# KiCad board 9W_SYSKA.kicad_pcb (continued)
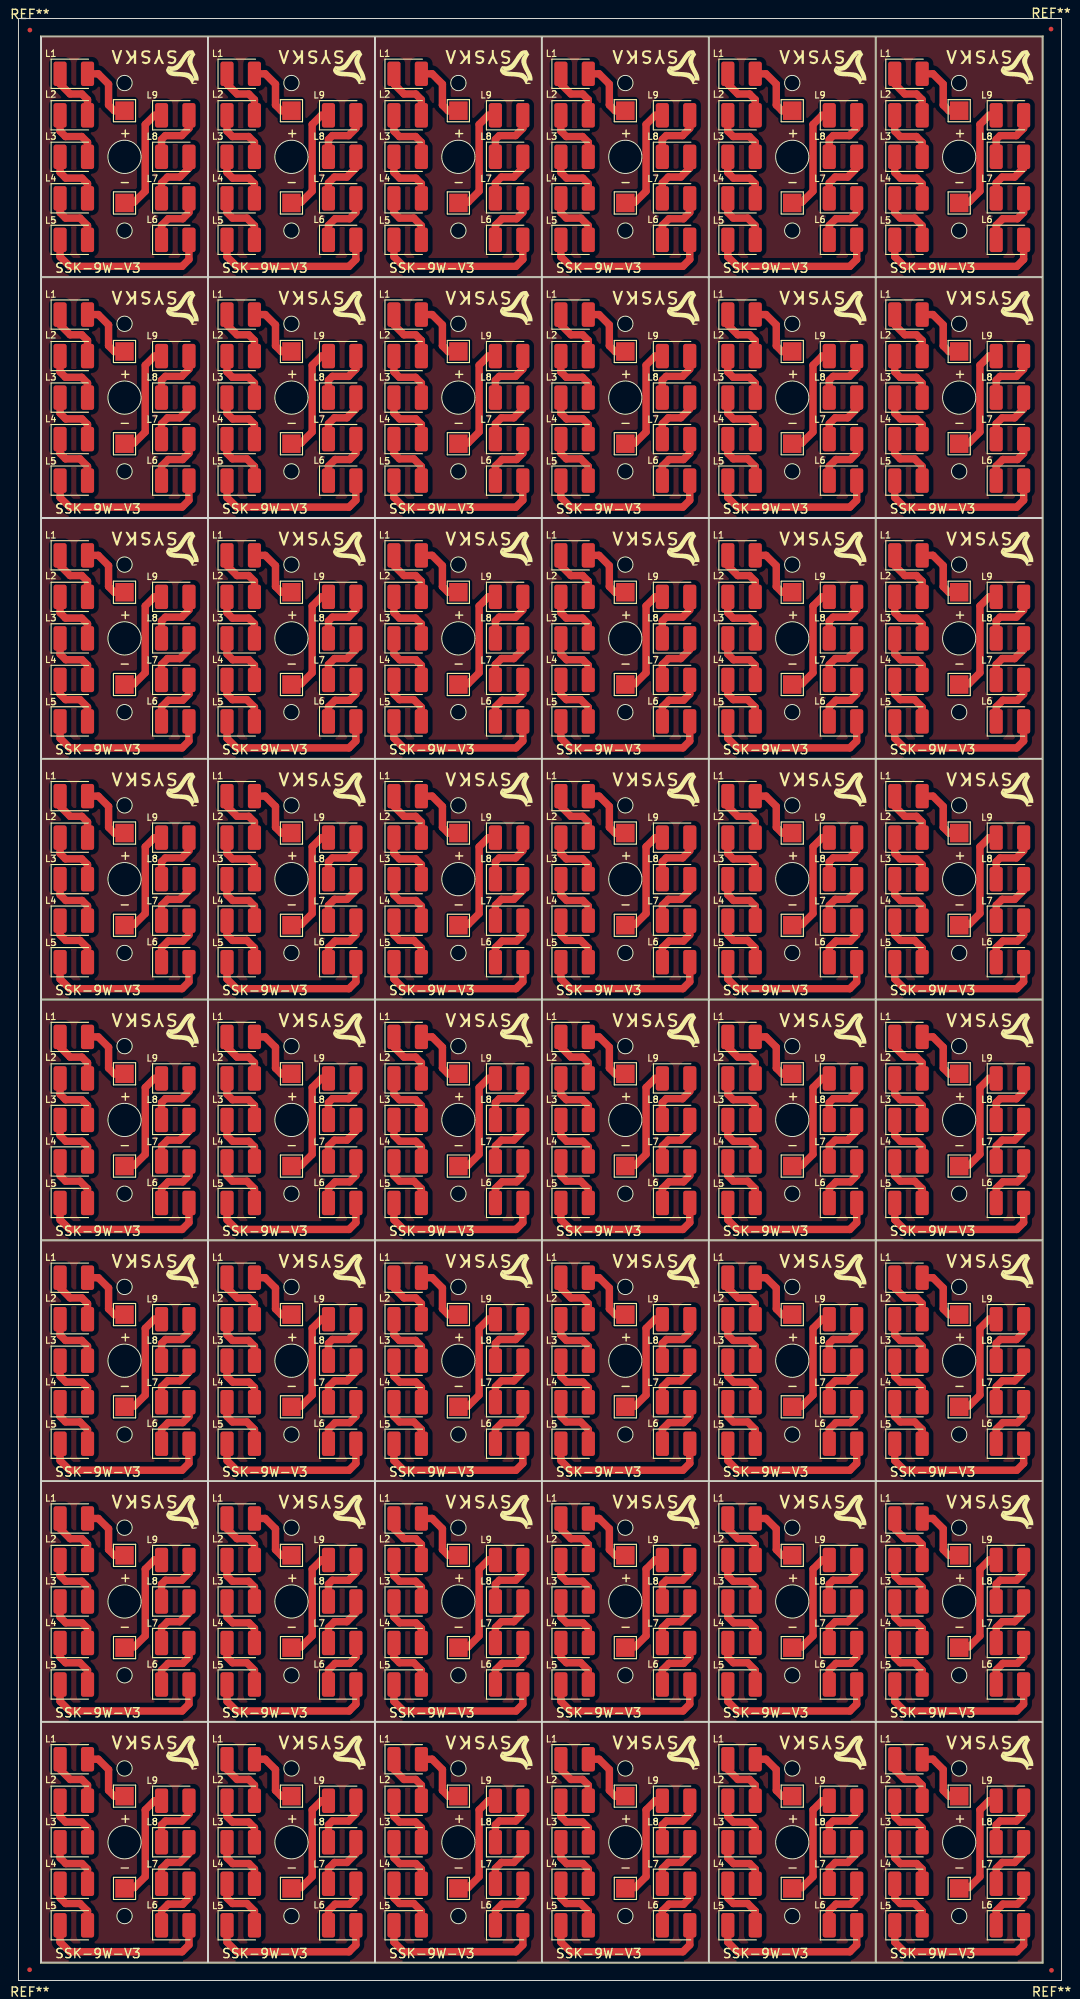
[diagram p0: board, top side]
## Placement (name value [footprint] x y rotation side) (continued)
L4#12  LED  [LED_1210_3225Metric_Pad1.42x2.65mm_HandSolder]  6 10.49 0 top
L4#13  LED  [LED_1210_3225Metric_Pad1.42x2.65mm_HandSolder]  42.2 10.49 0 top
L4#14  LED  [LED_1210_3225Metric_Pad1.42x2.65mm_HandSolder]  78.4 36.59 0 top
L4#15  LED  [LED_1210_3225Metric_Pad1.42x2.65mm_HandSolder]  60.3 193.19 0 top
L4#16  LED  [LED_1210_3225Metric_Pad1.42x2.65mm_HandSolder]  96.5 10.49 0 top
L4#17  LED  [LED_1210_3225Metric_Pad1.42x2.65mm_HandSolder]  6 36.59 0 top
L4#18  LED  [LED_1210_3225Metric_Pad1.42x2.65mm_HandSolder]  42.2 140.99 0 top
L4#19  LED  [LED_1210_3225Metric_Pad1.42x2.65mm_HandSolder]  42.2 167.09 0 top
L4#20  LED  [LED_1210_3225Metric_Pad1.42x2.65mm_HandSolder]  6 88.79 0 top
L4#21  LED  [LED_1210_3225Metric_Pad1.42x2.65mm_HandSolder]  78.4 193.19 0 top
L4#22  LED  [LED_1210_3225Metric_Pad1.42x2.65mm_HandSolder]  60.3 114.89 0 top
L4#23  LED  [LED_1210_3225Metric_Pad1.42x2.65mm_HandSolder]  78.4 10.49 0 top
L4#24  LED  [LED_1210_3225Metric_Pad1.42x2.65mm_HandSolder]  24.1 167.09 0 top
L4#25  LED  [LED_1210_3225Metric_Pad1.42x2.65mm_HandSolder]  78.4 140.99 0 top
L4#26  LED  [LED_1210_3225Metric_Pad1.42x2.65mm_HandSolder]  6 62.69 0 top
L4#27  LED  [LED_1210_3225Metric_Pad1.42x2.65mm_HandSolder]  96.5 167.09 0 top
L4#28  LED  [LED_1210_3225Metric_Pad1.42x2.65mm_HandSolder]  96.5 193.19 0 top
L4#29  LED  [LED_1210_3225Metric_Pad1.42x2.65mm_HandSolder]  6 193.19 0 top
L4#30  LED  [LED_1210_3225Metric_Pad1.42x2.65mm_HandSolder]  60.3 36.59 0 top
L4#31  LED  [LED_1210_3225Metric_Pad1.42x2.65mm_HandSolder]  78.4 88.79 0 top
L4#32  LED  [LED_1210_3225Metric_Pad1.42x2.65mm_HandSolder]  60.3 62.69 0 top
L4#33  LED  [LED_1210_3225Metric_Pad1.42x2.65mm_HandSolder]  24.1 36.59 0 top
L4#34  LED  [LED_1210_3225Metric_Pad1.42x2.65mm_HandSolder]  78.4 167.09 0 top
L4#35  LED  [LED_1210_3225Metric_Pad1.42x2.65mm_HandSolder]  6 140.99 0 top
L4#36  LED  [LED_1210_3225Metric_Pad1.42x2.65mm_HandSolder]  24.1 88.79 0 top
L4#37  LED  [LED_1210_3225Metric_Pad1.42x2.65mm_HandSolder]  42.2 88.79 0 top
L4#38  LED  [LED_1210_3225Metric_Pad1.42x2.65mm_HandSolder]  96.5 114.89 0 top
L4#39  LED  [LED_1210_3225Metric_Pad1.42x2.65mm_HandSolder]  6 114.89 0 top
L4#40  LED  [LED_1210_3225Metric_Pad1.42x2.65mm_HandSolder]  24.1 193.19 0 top
L4#41  LED  [LED_1210_3225Metric_Pad1.42x2.65mm_HandSolder]  96.5 88.79 0 top
L4#42  LED  [LED_1210_3225Metric_Pad1.42x2.65mm_HandSolder]  78.4 62.69 0 top
L4#43  LED  [LED_1210_3225Metric_Pad1.42x2.65mm_HandSolder]  42.2 36.59 0 top
L4#44  LED  [LED_1210_3225Metric_Pad1.42x2.65mm_HandSolder]  42.2 193.19 0 top
L4#45  LED  [LED_1210_3225Metric_Pad1.42x2.65mm_HandSolder]  60.3 10.49 0 top
L4#46  LED  [LED_1210_3225Metric_Pad1.42x2.65mm_HandSolder]  24.1 114.89 0 top
L4#47  LED  [LED_1210_3225Metric_Pad1.42x2.65mm_HandSolder]  60.3 140.99 0 top
L4#48  LED  [LED_1210_3225Metric_Pad1.42x2.65mm_HandSolder]  96.5 62.69 0 top
L5  LED  [LED_1210_3225Metric_Pad1.42x2.65mm_HandSolder]  78.4 188.69 0 top
L5#2  LED  [LED_1210_3225Metric_Pad1.42x2.65mm_HandSolder]  60.3 58.19 0 top
L5#3  LED  [LED_1210_3225Metric_Pad1.42x2.65mm_HandSolder]  96.5 58.19 0 top
L5#4  LED  [LED_1210_3225Metric_Pad1.42x2.65mm_HandSolder]  42.2 32.09 0 top
L5#5  LED  [LED_1210_3225Metric_Pad1.42x2.65mm_HandSolder]  96.5 5.99 0 top
L5#6  LED  [LED_1210_3225Metric_Pad1.42x2.65mm_HandSolder]  42.2 5.99 0 top
L5#7  LED  [LED_1210_3225Metric_Pad1.42x2.65mm_HandSolder]  24.1 188.69 0 top
L5#8  LED  [LED_1210_3225Metric_Pad1.42x2.65mm_HandSolder]  6 136.49 0 top
L5#9  LED  [LED_1210_3225Metric_Pad1.42x2.65mm_HandSolder]  78.4 136.49 0 top
L5#10  LED  [LED_1210_3225Metric_Pad1.42x2.65mm_HandSolder]  24.1 136.49 0 top
L5#11  LED  [LED_1210_3225Metric_Pad1.42x2.65mm_HandSolder]  6 32.09 0 top
L5#12  LED  [LED_1210_3225Metric_Pad1.42x2.65mm_HandSolder]  78.4 32.09 0 top
L5#13  LED  [LED_1210_3225Metric_Pad1.42x2.65mm_HandSolder]  60.3 110.39 0 top
L5#14  LED  [LED_1210_3225Metric_Pad1.42x2.65mm_HandSolder]  78.4 84.29 0 top
L5#15  LED  [LED_1210_3225Metric_Pad1.42x2.65mm_HandSolder]  60.3 5.99 0 top
L5#16  LED  [LED_1210_3225Metric_Pad1.42x2.65mm_HandSolder]  60.3 84.29 0 top
L5#17  LED  [LED_1210_3225Metric_Pad1.42x2.65mm_HandSolder]  60.3 32.09 0 top
L5#18  LED  [LED_1210_3225Metric_Pad1.42x2.65mm_HandSolder]  6 5.99 0 top
L5#19  LED  [LED_1210_3225Metric_Pad1.42x2.65mm_HandSolder]  24.1 32.09 0 top
L5#20  LED  [LED_1210_3225Metric_Pad1.42x2.65mm_HandSolder]  78.4 162.59 0 top
L5#21  LED  [LED_1210_3225Metric_Pad1.42x2.65mm_HandSolder]  6 58.19 0 top
L5#22  LED  [LED_1210_3225Metric_Pad1.42x2.65mm_HandSolder]  96.5 84.29 0 top
L5#23  LED  [LED_1210_3225Metric_Pad1.42x2.65mm_HandSolder]  96.5 110.39 0 top
L5#24  LED  [LED_1210_3225Metric_Pad1.42x2.65mm_HandSolder]  60.3 162.59 0 top
L5#25  LED  [LED_1210_3225Metric_Pad1.42x2.65mm_HandSolder]  24.1 162.59 0 top
L5#26  LED  [LED_1210_3225Metric_Pad1.42x2.65mm_HandSolder]  78.4 110.39 0 top
L5#27  LED  [LED_1210_3225Metric_Pad1.42x2.65mm_HandSolder]  96.5 162.59 0 top
L5#28  LED  [LED_1210_3225Metric_Pad1.42x2.65mm_HandSolder]  42.2 162.59 0 top
L5#29  LED  [LED_1210_3225Metric_Pad1.42x2.65mm_HandSolder]  6 188.69 0 top
L5#30  LED  [LED_1210_3225Metric_Pad1.42x2.65mm_HandSolder]  60.3 188.69 0 top
L5#31  LED  [LED_1210_3225Metric_Pad1.42x2.65mm_HandSolder]  42.2 84.29 0 top
L5#32  LED  [LED_1210_3225Metric_Pad1.42x2.65mm_HandSolder]  24.1 5.99 0 top
L5#33  LED  [LED_1210_3225Metric_Pad1.42x2.65mm_HandSolder]  24.1 58.19 0 top
L5#34  LED  [LED_1210_3225Metric_Pad1.42x2.65mm_HandSolder]  96.5 32.09 0 top
L5#35  LED  [LED_1210_3225Metric_Pad1.42x2.65mm_HandSolder]  42.2 188.69 0 top
L5#36  LED  [LED_1210_3225Metric_Pad1.42x2.65mm_HandSolder]  96.5 136.49 0 top
L5#37  LED  [LED_1210_3225Metric_Pad1.42x2.65mm_HandSolder]  78.4 5.99 0 top
L5#38  LED  [LED_1210_3225Metric_Pad1.42x2.65mm_HandSolder]  42.2 110.39 0 top
L5#39  LED  [LED_1210_3225Metric_Pad1.42x2.65mm_HandSolder]  6 110.39 0 top
L5#40  LED  [LED_1210_3225Metric_Pad1.42x2.65mm_HandSolder]  60.3 136.49 0 top
L5#41  LED  [LED_1210_3225Metric_Pad1.42x2.65mm_HandSolder]  6 162.59 0 top
L5#42  LED  [LED_1210_3225Metric_Pad1.42x2.65mm_HandSolder]  96.5 188.69 0 top
L5#43  LED  [LED_1210_3225Metric_Pad1.42x2.65mm_HandSolder]  42.2 58.19 0 top
L5#44  LED  [LED_1210_3225Metric_Pad1.42x2.65mm_HandSolder]  78.4 58.19 0 top
L5#45  LED  [LED_1210_3225Metric_Pad1.42x2.65mm_HandSolder]  24.1 84.29 0 top
L5#46  LED  [LED_1210_3225Metric_Pad1.42x2.65mm_HandSolder]  42.2 136.49 0 top
L5#47  LED  [LED_1210_3225Metric_Pad1.42x2.65mm_HandSolder]  24.1 110.39 0 top
L5#48  LED  [LED_1210_3225Metric_Pad1.42x2.65mm_HandSolder]  6 84.29 0 top
L6  LED  [LED_1210_3225Metric_Pad1.42x2.65mm_HandSolder]  71.3 58.19 0 top
L6#2  LED  [LED_1210_3225Metric_Pad1.42x2.65mm_HandSolder]  107.5 32.09 0 top
L6#3  LED  [LED_1210_3225Metric_Pad1.42x2.65mm_HandSolder]  35.1 136.49 0 top
L6#4  LED  [LED_1210_3225Metric_Pad1.42x2.65mm_HandSolder]  53.2 32.09 0 top
L6#5  LED  [LED_1210_3225Metric_Pad1.42x2.65mm_HandSolder]  89.4 5.99 0 top
L6#6  LED  [LED_1210_3225Metric_Pad1.42x2.65mm_HandSolder]  17 5.99 0 top
L6#7  LED  [LED_1210_3225Metric_Pad1.42x2.65mm_HandSolder]  35.1 5.99 0 top
L6#8  LED  [LED_1210_3225Metric_Pad1.42x2.65mm_HandSolder]  35.1 32.09 0 top
L6#9  LED  [LED_1210_3225Metric_Pad1.42x2.65mm_HandSolder]  35.1 58.19 0 top
L6#10  LED  [LED_1210_3225Metric_Pad1.42x2.65mm_HandSolder]  53.2 110.39 0 top
L6#11  LED  [LED_1210_3225Metric_Pad1.42x2.65mm_HandSolder]  89.4 162.59 0 top
L6#12  LED  [LED_1210_3225Metric_Pad1.42x2.65mm_HandSolder]  35.1 84.29 0 top
L6#13  LED  [LED_1210_3225Metric_Pad1.42x2.65mm_HandSolder]  17 136.49 0 top
L6#14  LED  [LED_1210_3225Metric_Pad1.42x2.65mm_HandSolder]  53.2 136.49 0 top
L6#15  LED  [LED_1210_3225Metric_Pad1.42x2.65mm_HandSolder]  17 32.09 0 top
L6#16  LED  [LED_1210_3225Metric_Pad1.42x2.65mm_HandSolder]  89.4 84.29 0 top
L6#17  LED  [LED_1210_3225Metric_Pad1.42x2.65mm_HandSolder]  35.1 188.69 0 top
L6#18  LED  [LED_1210_3225Metric_Pad1.42x2.65mm_HandSolder]  89.4 136.49 0 top
L6#19  LED  [LED_1210_3225Metric_Pad1.42x2.65mm_HandSolder]  89.4 110.39 0 top
L6#20  LED  [LED_1210_3225Metric_Pad1.42x2.65mm_HandSolder]  89.4 32.09 0 top
L6#21  LED  [LED_1210_3225Metric_Pad1.42x2.65mm_HandSolder]  71.3 5.99 0 top
L6#22  LED  [LED_1210_3225Metric_Pad1.42x2.65mm_HandSolder]  107.5 84.29 0 top
L6#23  LED  [LED_1210_3225Metric_Pad1.42x2.65mm_HandSolder]  71.3 188.69 0 top
L6#24  LED  [LED_1210_3225Metric_Pad1.42x2.65mm_HandSolder]  107.5 5.99 0 top
L6#25  LED  [LED_1210_3225Metric_Pad1.42x2.65mm_HandSolder]  71.3 136.49 0 top
L6#26  LED  [LED_1210_3225Metric_Pad1.42x2.65mm_HandSolder]  17 162.59 0 top
L6#27  LED  [LED_1210_3225Metric_Pad1.42x2.65mm_HandSolder]  107.5 110.39 0 top
L6#28  LED  [LED_1210_3225Metric_Pad1.42x2.65mm_HandSolder]  89.4 188.69 0 top
L6#29  LED  [LED_1210_3225Metric_Pad1.42x2.65mm_HandSolder]  71.3 84.29 0 top
L6#30  LED  [LED_1210_3225Metric_Pad1.42x2.65mm_HandSolder]  71.3 110.39 0 top
L6#31  LED  [LED_1210_3225Metric_Pad1.42x2.65mm_HandSolder]  53.2 84.29 0 top
L6#32  LED  [LED_1210_3225Metric_Pad1.42x2.65mm_HandSolder]  35.1 162.59 0 top
L6#33  LED  [LED_1210_3225Metric_Pad1.42x2.65mm_HandSolder]  71.3 162.59 0 top
L6#34  LED  [LED_1210_3225Metric_Pad1.42x2.65mm_HandSolder]  107.5 188.69 0 top
L6#35  LED  [LED_1210_3225Metric_Pad1.42x2.65mm_HandSolder]  107.5 58.19 0 top
L6#36  LED  [LED_1210_3225Metric_Pad1.42x2.65mm_HandSolder]  107.5 162.59 0 top
L6#37  LED  [LED_1210_3225Metric_Pad1.42x2.65mm_HandSolder]  35.1 110.39 0 top
L6#38  LED  [LED_1210_3225Metric_Pad1.42x2.65mm_HandSolder]  17 58.19 0 top
L6#39  LED  [LED_1210_3225Metric_Pad1.42x2.65mm_HandSolder]  89.4 58.19 0 top
L6#40  LED  [LED_1210_3225Metric_Pad1.42x2.65mm_HandSolder]  53.2 188.69 0 top
L6#41  LED  [LED_1210_3225Metric_Pad1.42x2.65mm_HandSolder]  17 84.29 0 top
L6#42  LED  [LED_1210_3225Metric_Pad1.42x2.65mm_HandSolder]  107.5 136.49 0 top
L6#43  LED  [LED_1210_3225Metric_Pad1.42x2.65mm_HandSolder]  53.2 5.99 0 top
L6#44  LED  [LED_1210_3225Metric_Pad1.42x2.65mm_HandSolder]  17 110.39 0 top
L6#45  LED  [LED_1210_3225Metric_Pad1.42x2.65mm_HandSolder]  17 188.69 0 top
L6#46  LED  [LED_1210_3225Metric_Pad1.42x2.65mm_HandSolder]  71.3 32.09 0 top
L6#47  LED  [LED_1210_3225Metric_Pad1.42x2.65mm_HandSolder]  53.2 162.59 0 top
L6#48  LED  [LED_1210_3225Metric_Pad1.42x2.65mm_HandSolder]  53.2 58.19 0 top
L7  LED  [LED_1210_3225Metric_Pad1.42x2.65mm_HandSolder]  71.3 10.49 0 top
L7#2  LED  [LED_1210_3225Metric_Pad1.42x2.65mm_HandSolder]  35.1 193.19 0 top
L7#3  LED  [LED_1210_3225Metric_Pad1.42x2.65mm_HandSolder]  107.5 140.99 0 top
L7#4  LED  [LED_1210_3225Metric_Pad1.42x2.65mm_HandSolder]  35.1 10.49 0 top
L7#5  LED  [LED_1210_3225Metric_Pad1.42x2.65mm_HandSolder]  35.1 140.99 0 top
L7#6  LED  [LED_1210_3225Metric_Pad1.42x2.65mm_HandSolder]  53.2 140.99 0 top
L7#7  LED  [LED_1210_3225Metric_Pad1.42x2.65mm_HandSolder]  71.3 140.99 0 top
L7#8  LED  [LED_1210_3225Metric_Pad1.42x2.65mm_HandSolder]  53.2 114.89 0 top
L7#9  LED  [LED_1210_3225Metric_Pad1.42x2.65mm_HandSolder]  107.5 10.49 0 top
L7#10  LED  [LED_1210_3225Metric_Pad1.42x2.65mm_HandSolder]  17 140.99 0 top
L7#11  LED  [LED_1210_3225Metric_Pad1.42x2.65mm_HandSolder]  35.1 167.09 0 top
L7#12  LED  [LED_1210_3225Metric_Pad1.42x2.65mm_HandSolder]  71.3 36.59 0 top
L7#13  LED  [LED_1210_3225Metric_Pad1.42x2.65mm_HandSolder]  89.4 114.89 0 top
L7#14  LED  [LED_1210_3225Metric_Pad1.42x2.65mm_HandSolder]  107.5 88.79 0 top
L7#15  LED  [LED_1210_3225Metric_Pad1.42x2.65mm_HandSolder]  53.2 36.59 0 top
L7#16  LED  [LED_1210_3225Metric_Pad1.42x2.65mm_HandSolder]  89.4 140.99 0 top
L7#17  LED  [LED_1210_3225Metric_Pad1.42x2.65mm_HandSolder]  35.1 114.89 0 top
L7#18  LED  [LED_1210_3225Metric_Pad1.42x2.65mm_HandSolder]  107.5 167.09 0 top
L7#19  LED  [LED_1210_3225Metric_Pad1.42x2.65mm_HandSolder]  71.3 88.79 0 top
L7#20  LED  [LED_1210_3225Metric_Pad1.42x2.65mm_HandSolder]  71.3 114.89 0 top
L7#21  LED  [LED_1210_3225Metric_Pad1.42x2.65mm_HandSolder]  89.4 36.59 0 top
L7#22  LED  [LED_1210_3225Metric_Pad1.42x2.65mm_HandSolder]  53.2 88.79 0 top
L7#23  LED  [LED_1210_3225Metric_Pad1.42x2.65mm_HandSolder]  107.5 193.19 0 top
L7#24  LED  [LED_1210_3225Metric_Pad1.42x2.65mm_HandSolder]  89.4 167.09 0 top
L7#25  LED  [LED_1210_3225Metric_Pad1.42x2.65mm_HandSolder]  17 167.09 0 top
L7#26  LED  [LED_1210_3225Metric_Pad1.42x2.65mm_HandSolder]  35.1 88.79 0 top
L7#27  LED  [LED_1210_3225Metric_Pad1.42x2.65mm_HandSolder]  107.5 114.89 0 top
L7#28  LED  [LED_1210_3225Metric_Pad1.42x2.65mm_HandSolder]  89.4 62.69 0 top
L7#29  LED  [LED_1210_3225Metric_Pad1.42x2.65mm_HandSolder]  53.2 167.09 0 top
L7#30  LED  [LED_1210_3225Metric_Pad1.42x2.65mm_HandSolder]  71.3 62.69 0 top
L7#31  LED  [LED_1210_3225Metric_Pad1.42x2.65mm_HandSolder]  53.2 10.49 0 top
L7#32  LED  [LED_1210_3225Metric_Pad1.42x2.65mm_HandSolder]  53.2 193.19 0 top
L7#33  LED  [LED_1210_3225Metric_Pad1.42x2.65mm_HandSolder]  53.2 62.69 0 top
L7#34  LED  [LED_1210_3225Metric_Pad1.42x2.65mm_HandSolder]  17 193.19 0 top
L7#35  LED  [LED_1210_3225Metric_Pad1.42x2.65mm_HandSolder]  17 114.89 0 top
L7#36  LED  [LED_1210_3225Metric_Pad1.42x2.65mm_HandSolder]  107.5 36.59 0 top
L7#37  LED  [LED_1210_3225Metric_Pad1.42x2.65mm_HandSolder]  35.1 62.69 0 top
L7#38  LED  [LED_1210_3225Metric_Pad1.42x2.65mm_HandSolder]  17 88.79 0 top
L7#39  LED  [LED_1210_3225Metric_Pad1.42x2.65mm_HandSolder]  35.1 36.59 0 top
L7#40  LED  [LED_1210_3225Metric_Pad1.42x2.65mm_HandSolder]  89.4 88.79 0 top
L7#41  LED  [LED_1210_3225Metric_Pad1.42x2.65mm_HandSolder]  17 62.69 0 top
L7#42  LED  [LED_1210_3225Metric_Pad1.42x2.65mm_HandSolder]  89.4 193.19 0 top
L7#43  LED  [LED_1210_3225Metric_Pad1.42x2.65mm_HandSolder]  107.5 62.69 0 top
L7#44  LED  [LED_1210_3225Metric_Pad1.42x2.65mm_HandSolder]  17 10.49 0 top
L7#45  LED  [LED_1210_3225Metric_Pad1.42x2.65mm_HandSolder]  71.3 193.19 0 top
L7#46  LED  [LED_1210_3225Metric_Pad1.42x2.65mm_HandSolder]  17 36.59 0 top
L7#47  LED  [LED_1210_3225Metric_Pad1.42x2.65mm_HandSolder]  71.3 167.09 0 top
L7#48  LED  [LED_1210_3225Metric_Pad1.42x2.65mm_HandSolder]  89.4 10.49 0 top
L8  LED  [LED_1210_3225Metric_Pad1.42x2.65mm_HandSolder]  53.2 93.29 0 top
L8#2  LED  [LED_1210_3225Metric_Pad1.42x2.65mm_HandSolder]  53.2 41.09 0 top
L8#3  LED  [LED_1210_3225Metric_Pad1.42x2.65mm_HandSolder]  35.1 197.69 0 top
L8#4  LED  [LED_1210_3225Metric_Pad1.42x2.65mm_HandSolder]  53.2 67.19 0 top
L8#5  LED  [LED_1210_3225Metric_Pad1.42x2.65mm_HandSolder]  107.5 171.59 0 top
L8#6  LED  [LED_1210_3225Metric_Pad1.42x2.65mm_HandSolder]  107.5 119.39 0 top
L8#7  LED  [LED_1210_3225Metric_Pad1.42x2.65mm_HandSolder]  17 14.99 0 top
L8#8  LED  [LED_1210_3225Metric_Pad1.42x2.65mm_HandSolder]  107.5 67.19 0 top
L8#9  LED  [LED_1210_3225Metric_Pad1.42x2.65mm_HandSolder]  53.2 14.99 0 top
L8#10  LED  [LED_1210_3225Metric_Pad1.42x2.65mm_HandSolder]  71.3 41.09 0 top
L8#11  LED  [LED_1210_3225Metric_Pad1.42x2.65mm_HandSolder]  17 67.19 0 top
L8#12  LED  [LED_1210_3225Metric_Pad1.42x2.65mm_HandSolder]  17 145.49 0 top
L8#13  LED  [LED_1210_3225Metric_Pad1.42x2.65mm_HandSolder]  35.1 14.99 0 top
L8#14  LED  [LED_1210_3225Metric_Pad1.42x2.65mm_HandSolder]  71.3 197.69 0 top
L8#15  LED  [LED_1210_3225Metric_Pad1.42x2.65mm_HandSolder]  71.3 93.29 0 top
L8#16  LED  [LED_1210_3225Metric_Pad1.42x2.65mm_HandSolder]  89.4 171.59 0 top
L8#17  LED  [LED_1210_3225Metric_Pad1.42x2.65mm_HandSolder]  107.5 145.49 0 top
L8#18  LED  [LED_1210_3225Metric_Pad1.42x2.65mm_HandSolder]  35.1 119.39 0 top
L8#19  LED  [LED_1210_3225Metric_Pad1.42x2.65mm_HandSolder]  17 197.69 0 top
L8#20  LED  [LED_1210_3225Metric_Pad1.42x2.65mm_HandSolder]  107.5 41.09 0 top
L8#21  LED  [LED_1210_3225Metric_Pad1.42x2.65mm_HandSolder]  107.5 197.69 0 top
L8#22  LED  [LED_1210_3225Metric_Pad1.42x2.65mm_HandSolder]  53.2 197.69 0 top
L8#23  LED  [LED_1210_3225Metric_Pad1.42x2.65mm_HandSolder]  35.1 93.29 0 top
L8#24  LED  [LED_1210_3225Metric_Pad1.42x2.65mm_HandSolder]  89.4 41.09 0 top
L8#25  LED  [LED_1210_3225Metric_Pad1.42x2.65mm_HandSolder]  71.3 14.99 0 top
L8#26  LED  [LED_1210_3225Metric_Pad1.42x2.65mm_HandSolder]  17 171.59 0 top
L8#27  LED  [LED_1210_3225Metric_Pad1.42x2.65mm_HandSolder]  89.4 197.69 0 top
L8#28  LED  [LED_1210_3225Metric_Pad1.42x2.65mm_HandSolder]  89.4 14.99 0 top
L8#29  LED  [LED_1210_3225Metric_Pad1.42x2.65mm_HandSolder]  17 93.29 0 top
L8#30  LED  [LED_1210_3225Metric_Pad1.42x2.65mm_HandSolder]  71.3 171.59 0 top
L8#31  LED  [LED_1210_3225Metric_Pad1.42x2.65mm_HandSolder]  107.5 14.99 0 top
L8#32  LED  [LED_1210_3225Metric_Pad1.42x2.65mm_HandSolder]  89.4 93.29 0 top
L8#33  LED  [LED_1210_3225Metric_Pad1.42x2.65mm_HandSolder]  107.5 93.29 0 top
L8#34  LED  [LED_1210_3225Metric_Pad1.42x2.65mm_HandSolder]  71.3 119.39 0 top
L8#35  LED  [LED_1210_3225Metric_Pad1.42x2.65mm_HandSolder]  53.2 119.39 0 top
L8#36  LED  [LED_1210_3225Metric_Pad1.42x2.65mm_HandSolder]  71.3 67.19 0 top
L8#37  LED  [LED_1210_3225Metric_Pad1.42x2.65mm_HandSolder]  17 41.09 0 top
L8#38  LED  [LED_1210_3225Metric_Pad1.42x2.65mm_HandSolder]  35.1 171.59 0 top
L8#39  LED  [LED_1210_3225Metric_Pad1.42x2.65mm_HandSolder]  35.1 67.19 0 top
L8#40  LED  [LED_1210_3225Metric_Pad1.42x2.65mm_HandSolder]  89.4 67.19 0 top
L8#41  LED  [LED_1210_3225Metric_Pad1.42x2.65mm_HandSolder]  89.4 119.39 0 top
L8#42  LED  [LED_1210_3225Metric_Pad1.42x2.65mm_HandSolder]  35.1 41.09 0 top
L8#43  LED  [LED_1210_3225Metric_Pad1.42x2.65mm_HandSolder]  35.1 145.49 0 top
L8#44  LED  [LED_1210_3225Metric_Pad1.42x2.65mm_HandSolder]  53.2 171.59 0 top
L8#45  LED  [LED_1210_3225Metric_Pad1.42x2.65mm_HandSolder]  89.4 145.49 0 top
L8#46  LED  [LED_1210_3225Metric_Pad1.42x2.65mm_HandSolder]  17 119.39 0 top
L8#47  LED  [LED_1210_3225Metric_Pad1.42x2.65mm_HandSolder]  53.2 145.49 0 top
L8#48  LED  [LED_1210_3225Metric_Pad1.42x2.65mm_HandSolder]  71.3 145.49 0 top
L9  LED  [LED_1210_3225Metric_Pad1.42x2.65mm_HandSolder]  107.5 71.69 0 top
L9#2  LED  [LED_1210_3225Metric_Pad1.42x2.65mm_HandSolder]  35.1 149.99 0 top
L9#3  LED  [LED_1210_3225Metric_Pad1.42x2.65mm_HandSolder]  17 202.19 0 top
L9#4  LED  [LED_1210_3225Metric_Pad1.42x2.65mm_HandSolder]  107.5 202.19 0 top
L9#5  LED  [LED_1210_3225Metric_Pad1.42x2.65mm_HandSolder]  53.2 97.79 0 top
L9#6  LED  [LED_1210_3225Metric_Pad1.42x2.65mm_HandSolder]  107.5 45.59 0 top
L9#7  LED  [LED_1210_3225Metric_Pad1.42x2.65mm_HandSolder]  89.4 123.89 0 top
L9#8  LED  [LED_1210_3225Metric_Pad1.42x2.65mm_HandSolder]  71.3 149.99 0 top
L9#9  LED  [LED_1210_3225Metric_Pad1.42x2.65mm_HandSolder]  35.1 71.69 0 top
L9#10  LED  [LED_1210_3225Metric_Pad1.42x2.65mm_HandSolder]  71.3 97.79 0 top
L9#11  LED  [LED_1210_3225Metric_Pad1.42x2.65mm_HandSolder]  89.4 71.69 0 top
L9#12  LED  [LED_1210_3225Metric_Pad1.42x2.65mm_HandSolder]  17 19.49 0 top
L9#13  LED  [LED_1210_3225Metric_Pad1.42x2.65mm_HandSolder]  17 123.89 0 top
L9#14  LED  [LED_1210_3225Metric_Pad1.42x2.65mm_HandSolder]  71.3 19.49 0 top
L9#15  LED  [LED_1210_3225Metric_Pad1.42x2.65mm_HandSolder]  89.4 19.49 0 top
L9#16  LED  [LED_1210_3225Metric_Pad1.42x2.65mm_HandSolder]  89.4 176.09 0 top
L9#17  LED  [LED_1210_3225Metric_Pad1.42x2.65mm_HandSolder]  17 71.69 0 top
L9#18  LED  [LED_1210_3225Metric_Pad1.42x2.65mm_HandSolder]  35.1 97.79 0 top
L9#19  LED  [LED_1210_3225Metric_Pad1.42x2.65mm_HandSolder]  53.2 202.19 0 top
L9#20  LED  [LED_1210_3225Metric_Pad1.42x2.65mm_HandSolder]  53.2 176.09 0 top
L9#21  LED  [LED_1210_3225Metric_Pad1.42x2.65mm_HandSolder]  107.5 123.89 0 top
L9#22  LED  [LED_1210_3225Metric_Pad1.42x2.65mm_HandSolder]  35.1 45.59 0 top
L9#23  LED  [LED_1210_3225Metric_Pad1.42x2.65mm_HandSolder]  35.1 176.09 0 top
L9#24  LED  [LED_1210_3225Metric_Pad1.42x2.65mm_HandSolder]  71.3 45.59 0 top
L9#25  LED  [LED_1210_3225Metric_Pad1.42x2.65mm_HandSolder]  35.1 19.49 0 top
L9#26  LED  [LED_1210_3225Metric_Pad1.42x2.65mm_HandSolder]  35.1 202.19 0 top
L9#27  LED  [LED_1210_3225Metric_Pad1.42x2.65mm_HandSolder]  89.4 149.99 0 top
L9#28  LED  [LED_1210_3225Metric_Pad1.42x2.65mm_HandSolder]  35.1 123.89 0 top
L9#29  LED  [LED_1210_3225Metric_Pad1.42x2.65mm_HandSolder]  17 176.09 0 top
L9#30  LED  [LED_1210_3225Metric_Pad1.42x2.65mm_HandSolder]  53.2 149.99 0 top
L9#31  LED  [LED_1210_3225Metric_Pad1.42x2.65mm_HandSolder]  17 97.79 0 top
L9#32  LED  [LED_1210_3225Metric_Pad1.42x2.65mm_HandSolder]  71.3 176.09 0 top
L9#33  LED  [LED_1210_3225Metric_Pad1.42x2.65mm_HandSolder]  71.3 202.19 0 top
L9#34  LED  [LED_1210_3225Metric_Pad1.42x2.65mm_HandSolder]  17 45.59 0 top
L9#35  LED  [LED_1210_3225Metric_Pad1.42x2.65mm_HandSolder]  53.2 123.89 0 top
L9#36  LED  [LED_1210_3225Metric_Pad1.42x2.65mm_HandSolder]  107.5 19.49 0 top
L9#37  LED  [LED_1210_3225Metric_Pad1.42x2.65mm_HandSolder]  107.5 149.99 0 top
L9#38  LED  [LED_1210_3225Metric_Pad1.42x2.65mm_HandSolder]  89.4 202.19 0 top
L9#39  LED  [LED_1210_3225Metric_Pad1.42x2.65mm_HandSolder]  107.5 176.09 0 top
L9#40  LED  [LED_1210_3225Metric_Pad1.42x2.65mm_HandSolder]  71.3 123.89 0 top
L9#41  LED  [LED_1210_3225Metric_Pad1.42x2.65mm_HandSolder]  71.3 71.69 0 top
L9#42  LED  [LED_1210_3225Metric_Pad1.42x2.65mm_HandSolder]  89.4 97.79 0 top
L9#43  LED  [LED_1210_3225Metric_Pad1.42x2.65mm_HandSolder]  53.2 71.69 0 top
L9#44  LED  [LED_1210_3225Metric_Pad1.42x2.65mm_HandSolder]  89.4 45.59 0 top
L9#45  LED  [LED_1210_3225Metric_Pad1.42x2.65mm_HandSolder]  53.2 45.59 0 top
L9#46  LED  [LED_1210_3225Metric_Pad1.42x2.65mm_HandSolder]  53.2 19.49 0 top
L9#47  LED  [LED_1210_3225Metric_Pad1.42x2.65mm_HandSolder]  107.5 97.79 0 top
L9#48  LED  [LED_1210_3225Metric_Pad1.42x2.65mm_HandSolder]  17 149.99 0 top
REF**  -  [Fiducial_0.5mm_Mask1.5mm]  1.21 1.17 0 top
REF**#2  -  [-]  101.81 142.69 0 top
REF**#3  -  [-]  29.41 168.79 0 top
REF**#4  -  [+]  29.59 69.76 0 top
REF**#5  -  [-]  65.61 64.39 0 top
REF**#6  -  [Fiducial_0.5mm_Mask1.5mm]  111.96 211.54 0 top
REF**#7  -  [+]  101.99 148.06 0 top
REF**#8  -  [-]  11.31 90.49 0 top
REF**#9  -  [-]  65.61 90.49 0 top
REF**#10  -  [-]  29.41 90.49 0 top
REF**#11  -  [+]  29.59 174.16 0 top
REF**#12  -  [+]  47.69 121.96 0 top
REF**#13  -  [+]  47.69 69.76 0 top
REF**#14  -  [-]  47.51 168.79 0 top
REF**#15  -  [+]  11.49 148.06 0 top
REF**#16  -  [+]  11.49 43.66 0 top
REF**#17  -  [-]  29.41 116.59 0 top
REF**#18  -  [-]  101.81 168.79 0 top
REF**#19  -  [Fiducial_0.5mm_Mask1.5mm]  112.01 1.11 0 top
REF**#20  -  [+]  47.69 43.66 0 top
REF**#21  -  [+]  101.99 200.26 0 top
REF**#22  -  [+]  11.49 174.16 0 top
REF**#23  -  [-]  47.51 12.19 0 top
REF**#24  -  [+]  29.59 17.56 0 top
REF**#25  -  [+]  65.79 17.56 0 top
REF**#26  -  [-]  101.81 194.89 0 top
REF**#27  -  [-]  29.41 142.69 0 top
REF**#28  -  [+]  83.89 95.86 0 top
REF**#29  -  [-]  83.71 90.49 0 top
REF**#30  -  [+]  83.89 121.96 0 top
REF**#31  -  [+]  47.69 148.06 0 top
REF**#32  -  [-]  47.51 142.69 0 top
REF**#33  -  [+]  101.99 121.96 0 top
REF**#34  -  [+]  47.69 200.26 0 top
REF**#35  -  [+]  65.79 95.86 0 top
REF**#36  -  [-]  83.71 142.69 0 top
REF**#37  -  [-]  47.51 194.89 0 top
REF**#38  -  [-]  101.81 12.19 0 top
REF**#39  -  [-]  29.41 12.19 0 top
REF**#40  -  [+]  101.99 43.66 0 top
REF**#41  -  [-]  101.81 90.49 0 top
REF**#42  -  [+]  11.49 121.96 0 top
REF**#43  -  [-]  83.71 12.19 0 top
REF**#44  -  [+]  83.89 200.26 0 top
REF**#45  -  [+]  11.49 69.76 0 top
REF**#46  -  [+]  83.89 69.76 0 top
REF**#47  -  [+]  47.69 95.86 0 top
REF**#48  -  [-]  65.61 194.89 0 top
REF**#49  -  [+]  65.79 69.76 0 top
REF**#50  -  [-]  83.71 64.39 0 top
REF**#51  -  [+]  101.99 17.56 0 top
REF**#52  -  [+]  65.79 121.96 0 top
REF**#53  -  [+]  29.59 200.26 0 top
REF**#54  -  [-]  11.31 168.79 0 top
REF**#55  -  [+]  101.99 174.16 0 top
REF**#56  -  [-]  29.41 38.29 0 top
REF**#57  -  [-]  83.71 38.29 0 top
REF**#58  -  [-]  11.31 38.29 0 top
REF**#59  -  [-]  47.51 116.59 0 top
REF**#60  -  [+]  47.69 174.16 0 top
REF**#61  -  [-]  65.61 168.79 0 top
REF**#62  -  [+]  29.59 121.96 0 top
REF**#63  -  [-]  101.81 38.29 0 top
REF**#64  -  [-]  29.41 194.89 0 top
REF**#65  -  [+]  101.99 69.76 0 top
REF**#66  -  [-]  83.71 168.79 0 top
REF**#67  -  [-]  11.31 64.39 0 top
REF**#68  -  [-]  101.81 116.59 0 top
REF**#69  -  [-]  11.31 142.69 0 top
REF**#70  -  [+]  11.49 200.26 0 top
REF**#71  -  [+]  11.49 95.86 0 top
REF**#72  -  [-]  11.31 116.59 0 top
REF**#73  -  [+]  11.49 17.56 0 top
REF**#74  -  [-]  29.41 64.39 0 top
REF**#75  -  [+]  83.89 174.16 0 top
REF**#76  -  [-]  11.31 12.19 0 top
REF**#77  -  [+]  47.69 17.56 0 top
REF**#78  -  [-]  47.51 38.29 0 top
REF**#79  -  [+]  29.59 148.06 0 top
REF**#80  -  [+]  29.59 43.66 0 top
REF**#81  -  [-]  83.71 116.59 0 top
REF**#82  -  [+]  65.79 174.16 0 top
REF**#83  -  [+]  83.89 148.06 0 top
REF**#84  -  [+]  65.79 148.06 0 top
REF**#85  -  [-]  101.81 64.39 0 top
REF**#86  -  [-]  47.51 90.49 0 top
REF**#87  -  [Fiducial_0.5mm_Mask1.5mm]  1.24 211.43 0 top
REF**#88  -  [-]  65.61 38.29 0 top
REF**#89  -  [+]  65.79 200.26 0 top
REF**#90  -  [+]  29.59 95.86 0 top
REF**#91  -  [+]  83.89 17.56 0 top
REF**#92  -  [-]  65.61 12.19 0 top
REF**#93  -  [-]  65.61 116.59 0 top
REF**#94  -  [+]  65.79 43.66 0 top
REF**#95  -  [-]  11.31 194.89 0 top
REF**#96  -  [+]  83.89 43.66 0 top
REF**#97  -  [-]  47.51 64.39 0 top
REF**#98  -  [-]  83.71 194.89 0 top
REF**#99  -  [+]  101.99 95.86 0 top
REF**#100  -  [-]  65.61 142.69 0 top

## Library data of the parts
J1 J1#2-J1#48 J2 J2#2-J2#48 = -: Description: Generic connector, single row, 01x01, script generated
L1 L1#2-L1#48 L2 L2#2-L2#48 L3 L3#2-L3#48 L4 L4#2-L4#48 L5 L5#2-L5#48 L6 L6#2-L6#48 L7 L7#2-L7#48 L8 L8#2-L8#48 L9 L9#2-L9#48 = -: Description: Light emitting diode

## Footprints (pads in the part's own frame, mm; a bottom-side part is the same pattern mirrored in y, then rotated)
Fiducial_0.5mm_Mask1.5mm
  round 0.5 smd: (0,0)
LED_1210_3225Metric_Pad1.42x2.65mm_HandSolder
  rrect 1.425x2.65 smd: 1(-1.488,0) 2(1.488,0)
TestPoint_Pad_2.0x2.0mm
  rect 2x2 smd: 1(0,0)

## Nets
Net-(J1-Pin_1): J1.1 J1#2.1 J1#3.1 J1#4.1 J1#5.1 J1#6.1 J1#7.1 J1#8.1 J1#9.1 J1#10.1 J1#11.1 J1#12.1 J1#13.1 J1#14.1 J1#15.1 J1#16.1 J1#17.1 J1#18.1 J1#19.1 J1#20.1 J1#21.1 J1#22.1 J1#23.1 J1#24.1 J1#25.1 J1#26.1 J1#27.1 J1#28.1 J1#29.1 J1#30.1 J1#31.1 J1#32.1 J1#33.1 J1#34.1 J1#35.1 J1#36.1 J1#37.1 J1#38.1 J1#39.1 J1#40.1 J1#41.1 J1#42.1 J1#43.1 J1#44.1 J1#45.1 J1#46.1 J1#47.1 J1#48.1 L1.2 L1#2.2 L1#3.2 L1#4.2 L1#5.2 L1#6.2 L1#7.2 L1#8.2 L1#9.2 L1#10.2 L1#11.2 L1#12.2 L1#13.2 L1#14.2 L1#15.2 L1#16.2 L1#17.2 L1#18.2 L1#19.2 L1#20.2 L1#21.2 L1#22.2 L1#23.2 L1#24.2 L1#25.2 L1#26.2 L1#27.2 L1#28.2 L1#29.2 L1#30.2 L1#31.2 L1#32.2 L1#33.2 L1#34.2 L1#35.2 L1#36.2 L1#37.2 L1#38.2 L1#39.2 L1#40.2 L1#41.2 L1#42.2 L1#43.2 L1#44.2 L1#45.2 L1#46.2 L1#47.2 L1#48.2
Net-(J2-Pin_1): J2.1 J2#2.1 J2#3.1 J2#4.1 J2#5.1 J2#6.1 J2#7.1 J2#8.1 J2#9.1 J2#10.1 J2#11.1 J2#12.1 J2#13.1 J2#14.1 J2#15.1 J2#16.1 J2#17.1 J2#18.1 J2#19.1 J2#20.1 J2#21.1 J2#22.1 J2#23.1 J2#24.1 J2#25.1 J2#26.1 J2#27.1 J2#28.1 J2#29.1 J2#30.1 J2#31.1 J2#32.1 J2#33.1 J2#34.1 J2#35.1 J2#36.1 J2#37.1 J2#38.1 J2#39.1 J2#40.1 J2#41.1 J2#42.1 J2#43.1 J2#44.1 J2#45.1 J2#46.1 J2#47.1 J2#48.1 L9.1 L9#2.1 L9#3.1 L9#4.1 L9#5.1 L9#6.1 L9#7.1 L9#8.1 L9#9.1 L9#10.1 L9#11.1 L9#12.1 L9#13.1 L9#14.1 L9#15.1 L9#16.1 L9#17.1 L9#18.1 L9#19.1 L9#20.1 L9#21.1 L9#22.1 L9#23.1 L9#24.1 L9#25.1 L9#26.1 L9#27.1 L9#28.1 L9#29.1 L9#30.1 L9#31.1 L9#32.1 L9#33.1 L9#34.1 L9#35.1 L9#36.1 L9#37.1 L9#38.1 L9#39.1 L9#40.1 L9#41.1 L9#42.1 L9#43.1 L9#44.1 L9#45.1 L9#46.1 L9#47.1 L9#48.1
Net-(L1-K): L1.1 L1#2.1 L1#3.1 L1#4.1 L1#5.1 L1#6.1 L1#7.1 L1#8.1 L1#9.1 L1#10.1 L1#11.1 L1#12.1 L1#13.1 L1#14.1 L1#15.1 L1#16.1 L1#17.1 L1#18.1 L1#19.1 L1#20.1 L1#21.1 L1#22.1 L1#23.1 L1#24.1 L1#25.1 L1#26.1 L1#27.1 L1#28.1 L1#29.1 L1#30.1 L1#31.1 L1#32.1 L1#33.1 L1#34.1 L1#35.1 L1#36.1 L1#37.1 L1#38.1 L1#39.1 L1#40.1 L1#41.1 L1#42.1 L1#43.1 L1#44.1 L1#45.1 L1#46.1 L1#47.1 L1#48.1 L2.2 L2#2.2 L2#3.2 L2#4.2 L2#5.2 L2#6.2 L2#7.2 L2#8.2 L2#9.2 L2#10.2 L2#11.2 L2#12.2 L2#13.2 L2#14.2 L2#15.2 L2#16.2 L2#17.2 L2#18.2 L2#19.2 L2#20.2 L2#21.2 L2#22.2 L2#23.2 L2#24.2 L2#25.2 L2#26.2 L2#27.2 L2#28.2 L2#29.2 L2#30.2 L2#31.2 L2#32.2 L2#33.2 L2#34.2 L2#35.2 L2#36.2 L2#37.2 L2#38.2 L2#39.2 L2#40.2 L2#41.2 L2#42.2 L2#43.2 L2#44.2 L2#45.2 L2#46.2 L2#47.2 L2#48.2
Net-(L2-K): L2.1 L2#2.1 L2#3.1 L2#4.1 L2#5.1 L2#6.1 L2#7.1 L2#8.1 L2#9.1 L2#10.1 L2#11.1 L2#12.1 L2#13.1 L2#14.1 L2#15.1 L2#16.1 L2#17.1 L2#18.1 L2#19.1 L2#20.1 L2#21.1 L2#22.1 L2#23.1 L2#24.1 L2#25.1 L2#26.1 L2#27.1 L2#28.1 L2#29.1 L2#30.1 L2#31.1 L2#32.1 L2#33.1 L2#34.1 L2#35.1 L2#36.1 L2#37.1 L2#38.1 L2#39.1 L2#40.1 L2#41.1 L2#42.1 L2#43.1 L2#44.1 L2#45.1 L2#46.1 L2#47.1 L2#48.1 L3.2 L3#2.2 L3#3.2 L3#4.2 L3#5.2 L3#6.2 L3#7.2 L3#8.2 L3#9.2 L3#10.2 L3#11.2 L3#12.2 L3#13.2 L3#14.2 L3#15.2 L3#16.2 L3#17.2 L3#18.2 L3#19.2 L3#20.2 L3#21.2 L3#22.2 L3#23.2 L3#24.2 L3#25.2 L3#26.2 L3#27.2 L3#28.2 L3#29.2 L3#30.2 L3#31.2 L3#32.2 L3#33.2 L3#34.2 L3#35.2 L3#36.2 L3#37.2 L3#38.2 L3#39.2 L3#40.2 L3#41.2 L3#42.2 L3#43.2 L3#44.2 L3#45.2 L3#46.2 L3#47.2 L3#48.2
